# Altium PCB Copy of Blower_Pcb.PcbDoc (part 2 of 2)
Units mm, origin at the board's own origin, x right, y up, seen from the top; angles counter-clockwise.
Board outline 125 x 35 mm, 4 copper layers (PWR+SIG, GND, GND (Plane2), PWR+SIG (Bottom)), stack 1.57 mm thick; 136 components, 87 nets, 501 pads, 199 vias.
Unrouted connection lines stored in the file: 2.
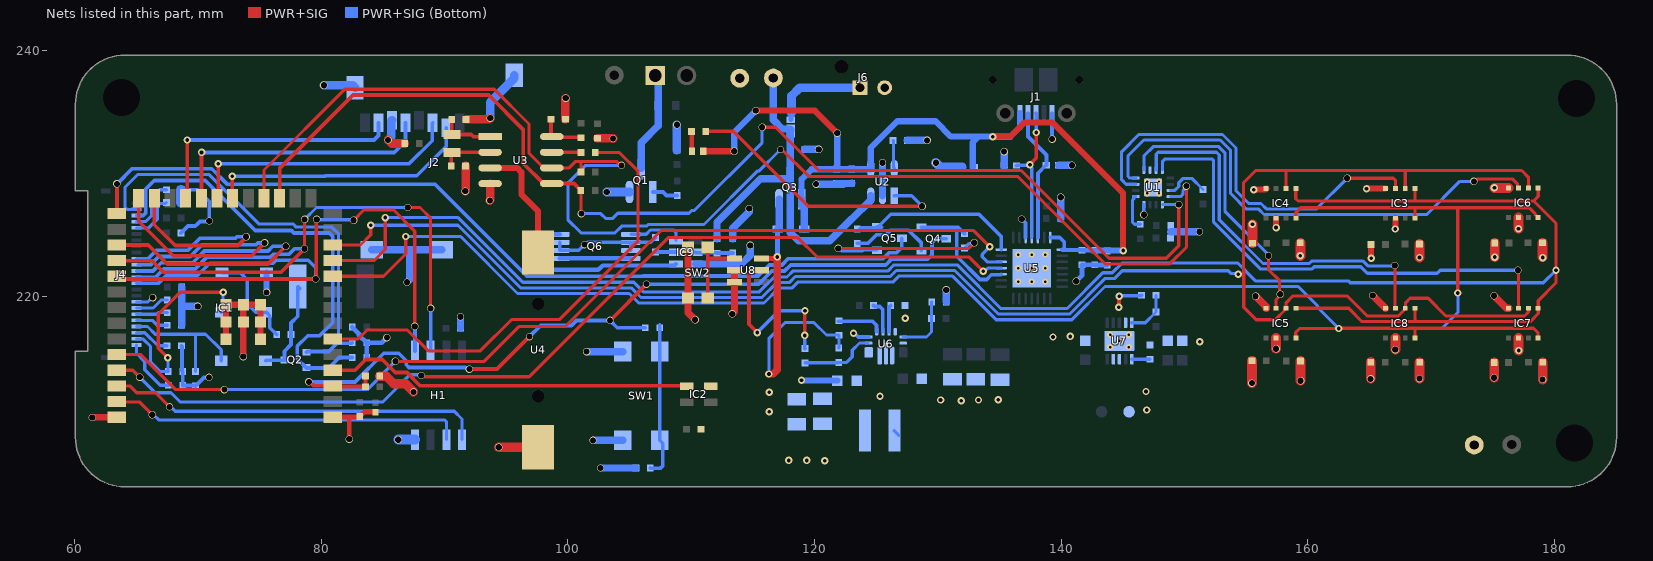
[diagram p4: the nets of this part, all layers, seen from the top]

## Via types
v1: diameter 0.6, hole 0.5, PWR+SIG to PWR+SIG (Bottom), tented both sides, 116 vias
v2: diameter 0.6, hole 0.3, PWR+SIG to PWR+SIG (Bottom), tented both sides, 65 vias
v3: diameter 0.5, hole 0.2, PWR+SIG to PWR+SIG (Bottom), tented both sides, 18 vias

## Nets (pads, with @x,y where several pads share a name; then routed paths per layer and width w, separated by ;. In a path a pad name is that pad's centre, name@x,y a point inside that pad or via, vN(x,y) a via of type N, cw(c..) or ccw(c..) an arc to the next point about the centre after c; other vN are vias at no path point) (continued)
CS2: IC3.2 U1.3 | length 32.7
  PWR+SIG w0.254: v1(163.195,229.616) 166.963,229.616 167.112,229.467 IC3.2@167.112,228.775 IC3.2@167.112,228.747
  PWR+SIG (Bottom) w0.254: U1.3@146.064,229.128 146.057,229.135 145.261,229.135 144.907,229.489 144.907,231.775 146.301,233.169 153.088,233.169 154.187,232.07 154.187,228.589 155.212,227.563 156.212,227.563 156.646,227.13 160.709,227.13 v1(163.195,229.616)
CS3: IC6.2 U1.4 | length 40.7
  PWR+SIG w0.254: v1(173.482,229.362) 173.576,229.362 173.778,229.565 176.596,229.565 177.022,229.139 177.022,228.911 IC6.2@177.095,228.838
  PWR+SIG (Bottom) w0.254: U1.4@146.064,229.628 145.576,229.628 145.427,229.777 145.427,231.431 146.71,232.715 152.9,232.715 153.733,231.882 153.733,228.4 155.024,227.109 156.024,227.109 156.458,226.676 169.653,226.676 172.339,229.362 v1(173.482,229.362)
CS4: IC5.2 U1.5 | length 22.9
  PWR+SIG w0.254: v1(156.82,223.325) 156.82,222.202 157.719,221.303 157.719,220.276 v1@157.785,220.209 ; IC5.2@157.434,219.072 157.434,219.779 157.771,220.116 v1(157.771,220.209)
  PWR+SIG (Bottom) w0.254: U1.5@146.714,230.278 146.714,231.423 147.469,232.178 152.795,232.178 153.279,231.694 153.279,226.954 156.82,223.413 v1(156.82,223.325)
CS5: IC8.2 U1.7 | length 31.3
  PWR+SIG w0.254: v1(167.056,222.541) 167.084,222.513 167.084,219.1 IC8.2@167.112,219.072
  PWR+SIG (Bottom) w0.254: U1.7@147.714,230.278 147.714,231.575 147.863,231.724 152.607,231.724 152.825,231.506 152.825,226.25 156.377,222.698 160.132,222.698 160.33,222.896 164.495,222.896 164.884,222.507 167.022,222.507 v1(167.056,222.541)
CS6: IC7.2 U1.8 | length 39.7
  PWR+SIG w0.254: v1(177.059,222.155) 177.095,222.119 IC7.2@177.095,219.072
  PWR+SIG (Bottom) w0.254: U1.8@148.214,230.278 148.214,230.959 148.446,231.191 152.222,231.191 152.371,231.042 152.371,226.062 155.739,222.695 155.739,222.691 156.185,222.244 160.32,222.244 160.518,222.442 164.307,222.442 164.835,221.914 170.496,221.914 170.737,222.155 v1(177.059,222.155)
CS_DIS: IC1.29 J4.12 | length 27.9
  PWR+SIG w0.3: IC1.29@63.424,224.206 65.963,224.206 67.506,222.663 75.67,222.663 v1(77.114,224.108)
  PWR+SIG (Bottom) w0.3: J4.12@65.019,222.09 66.351,222.09 67.019,222.758 69.567,222.758 70.529,223.72 75.668,223.72 76.056,224.108 v1(77.114,224.108)
CS_F: H1.1 IC1.38 | length 30.8
  PWR+SIG w0.254: IC1.38@63.424,212.776 64.465,212.776 65.024,212.217 66.548,212.217 v1(67.691,211.074)
  PWR+SIG (Bottom) w0.254: v1(67.691,211.074) 67.785,211.074 68.14,210.718 90.785,210.718 91.415,210.088 H1.1@91.415,208.414
D+: D9.2 J1.3 U5.4 | length 11.5
  PWR+SIG w0.3: v2(137.47,230.71) 137.47,230.731 137.99,231.251 v2(137.99,233.33)
  PWR+SIG (Bottom) w0.254: v2(137.47,230.71) 137.47,230.616 137.618,230.468 U5.4@137.618,224.806
  PWR+SIG (Bottom) w0.3: D9.2@136.38,230.64 136.415,230.675 137.435,230.675 v2(137.47,230.71) ; J1.3@137.965,234.894 137.977,234.881 137.977,233.343 v2(137.99,233.33)
D-: D8.2 J1.2 U5.5 | length 11.1
  PWR+SIG (Bottom) w0.3: J1.2@137.287,234.867 J1.2@137.315,234.894 137.315,233.005 138.81,231.51 D8.2@138.81,230.67 138.76,230.67 138.118,230.028 U5.5@138.118,224.806
D/C: IC1.26 J4.11 | length 24.7
  PWR+SIG w0.3: IC1.26@65.189,227.996 65.189,226.135 67.997,223.327 74.356,223.327 v1(75.399,224.37)
  PWR+SIG (Bottom) w0.3: J4.11@65.151,222.59 66.144,222.59 66.82,223.266 69.368,223.266 70.322,224.22 74.695,224.22 74.845,224.37 v1(75.399,224.37)
DTR: Q5.2 R18.1 U5.28 | length 14.1
  PWR+SIG (Bottom) w0.3: R18.1@123.692,225.512 123.761,225.58 125.357,225.58 Q5.2@125.426,225.649 ; Q5.2@125.076,225.689 125.176,225.689 126.181,226.695 133.35,226.695 135.143,224.902 U5.28@135.143,223.831
EN: C3.1 IC1.3 Q4.3 R1.1 R2.2 | length 67
  PWR+SIG w0.3: v1(78.994,213.098) 79.075,213.098 79.397,212.776 IC1.3@80.924,212.776 80.98,212.72 83.566,212.72 R1.1@83.576,212.71 C3.1@83.576,213.57 ; v1(92.011,214.141) 94.253,214.141 v1(96.884,216.772) ; v1(103.415,218.086) 103.43,218.086 v1(106.375,221.031)
  PWR+SIG (Bottom) w0.3: v1(78.994,213.098) 82.738,213.098 85.058,215.418 86.28,215.418 86.888,214.81 86.888,214.487 87.109,214.266 91.685,214.266 91.753,214.199 91.953,214.199 v1(92.011,214.141) ; v1(96.884,216.772) 97.79,217.678 100.282,217.678 100.69,218.086 v1(103.415,218.086) 104.001,217.5 R2.2@106.274,217.5 ; v1(106.375,221.031) 115.482,221.031 116.538,222.087 117.573,222.087 118.067,222.58 125.769,222.58 126.253,223.065 129.179,223.065 129.525,223.412 129.525,224.387 129.838,224.699 Q4.3@130.688,224.699
EN_B: R29.2 U8.5 | length 14
  PWR+SIG w0.3: v2(115.36,217.1) 114.69,217.77 114.69,221.984 114.866,222.16 U8.5@115.71,222.16 ; v2(119.21,216.87) 119.22,216.88 119.22,218.87 v2(119.23,218.88)
  PWR+SIG (Bottom) w0.3: v2(115.36,217.1) 117.14,218.88 v2(119.23,218.88) ; v2(119.21,216.87) 119.219,216.861 119.219,215.807 R29.2@119.228,215.798
GDR: J4.2 Q2.1 R7.1 | length 35.3
  PWR+SIG (Bottom) w0.254: J4.2@65.019,227.09 64.238,227.09 64.089,227.239 64.089,228.902 65.094,229.907 70.919,229.907 74.911,225.915 77.706,225.915 77.969,225.651 80.85,225.651 81.401,225.1 81.401,216.642 81.28,216.521 81.28,216.24
  PWR+SIG (Bottom) w0.3: Q2.1@78.797,215.507 78.851,215.56 80.6,215.56 81.28,216.24 82.473,216.24 R7.1@82.509,216.276
GND: C1.2 C2.2 C3.2 C4.1 C5.2 C6.2 C7.2 C8.2 C9.2 C10.2 C11.2 C12.2 C13.2 C14.2 C15.2 C16.2 C17.2 C18.2 C19.2 C20.2 C22.2 C23.2 C24.2 C25.2 C26.2 C27.2 C28.2 C29.2 C30.2 C31.2 C32.2 C33.2 C34.2 C35.2 C36.2 C37.2 C38.2 C39.2 C40.2 C41.2 C42.2 C43.2 C44.2 C45.2 C46.2 C47.2 C48.2 C49.2 C50.2 C51.2 C52.2 C53.2 C54.2 C55.2 C56.2 C57.2 D3.1 D7.1 D8.1 D9.1 H1.4 IC1.1 IC1.40 IC1.41 IC1.42 IC1.43 IC1.44 IC1.45 IC1.46 IC1.47 IC1.48 IC1.49 IC2.2 IC3.1 IC3.7 IC4.1 IC4.7 IC5.1 IC5.7 IC6.1 IC6.7 IC7.1 IC7.7 IC8.1 IC8.7 IC9.6 J1.5 J2.6 J2.MP1 J2.MP2 J2.MP3 J2.MP4 J4.17 J6.2 Q1.2 Q6.2 Q6.3 Q6.6 Q6.7 R4.1 R6.2 R7.2 R8.1 R13.1 R14.1 R22.1 R26.1 R27.1 SW1.1 SW1.2 SW2.1 SW2.2 TP2.1 TP4.1 U1.6 U1.16 U1.17 U2.2 U3.4 U4.1 U5.3 U5.29 U6.4 U6.6 U6.10 U6.15 U7.4 U7.9 U7.11 U8.2 U8.3 | length 184.6
  PWR+SIG w0.3: v2(144.678,219.151) 144.691,219.164 144.691,220.028 v2(144.704,220.04) ; v1@146.714,226.623 v1(146.714,226.659)
  PWR+SIG w0.381: IC1.1@80.924,210.236 80.949,210.261 82.271,210.261 ; v1(82.271,208.458) 82.271,210.261 ; C2.2@84.39,210.651 83.486,210.651 C1.2@83.12,210.286 83.095,210.261 82.271,210.261
  PWR+SIG w0.5: v2(155.618,228.687) 155.637,228.706 156.566,228.706 IC4.1@156.634,228.775 ; v2(157.434,225.614) IC4.7@157.434,226.375 ; v2(164.768,228.773) 164.77,228.775 IC3.1@166.312,228.775 ; v2(165.143,223.134) C7.2@165.143,224.25 ; v2(167.112,225.502) IC3.7@167.112,226.375
  PWR+SIG w0.508: v1(61.417,210.21) 61.443,210.236 IC1.40@63.424,210.236 ; IC1.48@72.274,216.556 IC1.47@72.274,217.956 IC1.46@72.274,219.356 IC1.45@73.674,219.356 ; v1(73.674,215.15) IC1.41@73.674,217.956 IC1.45@73.674,219.356 ; IC1.42@75.074,216.556 IC1.43@75.074,217.956 IC1.44@75.074,219.356 IC1.45@73.674,219.356
  PWR+SIG w0.6: SW2.2@109.74,224.02 SW2.1@109.74,219.92 109.74,218.707 v1(110.312,218.135) ; v1(113.335,218.618) 113.51,218.793 U8.3@113.51,221.21 U8.2@113.51,222.16 ; v1(155.778,220.04) 156.634,219.184 IC5.1@156.634,219.072 ; v1(165.278,220.106) IC8.1@166.312,219.072 ; v1(175.108,220.091) 176.127,219.072 IC7.1@176.295,219.072
  PWR+SIG w0.7: v1(85.42,232.715) 85.7,232.435 C18.2@86.766,232.435 ; v1(91.669,228.575) 91.704,228.61 C37.2@91.704,230.62 ; C36.2@91.744,234.39 93.598,234.39 v1(93.701,234.493) ; v1(93.675,227.813) 93.689,227.826 U3.4@93.689,229.184 ; C35.2@99.794,234.41 99.794,236.091 v1(99.822,236.118) ; C34.2@102.39,232.866 103.633,232.866 v1(103.657,232.842)
  PWR+SIG w0.762: C3.2@84.744,213.57 85.032,213.57 85.036,213.566 85.26,213.566 85.872,212.954 86.817,212.954 v1(87.478,212.293)
  PWR+SIG w0.8: v1(94.387,207.797) U4.1@97.587,207.797 ; v1(155.476,213.002) C11.2@155.476,214.81 ; v2(155.516,225.882) C9.2@155.516,224.35 C9.2@155.55,224.384 ; v1(157.434,215.793) IC5.7@157.434,216.672 ; v2(159.403,223.325) C8.2@159.403,224.378 ; v1(159.424,213.194) C10.2@159.424,214.79 ; v1@165.117,213.352 C17.2@165.117,214.699 ; v1@167.112,215.722 IC8.7@167.112,216.672 ; v2(169.064,223.192) C6.2@169.064,224.28 ; v1@169.079,213.369 C16.2@169.079,214.698 ; v1@175.126,213.443 C15.2@175.126,214.675 ; v2(175.142,228.838) IC6.1@176.295,228.838 ; v2(175.166,223.223) C12.2@175.166,224.37 ; IC7.7@177.095,216.672 177.095,215.666 v2(177.114,215.646) ; v2(177.095,225.521) IC6.7@177.095,226.438 ; v2@179.034,223.23 C13.2@179.034,224.38 ; v1@179.064,213.303 C14.2@179.064,214.69
  PWR+SIG (Bottom) w0.254: J4.17@65.019,219.59 65.946,219.59 66.296,219.94 v1(66.319,219.94)
  PWR+SIG (Bottom) w0.3: v2(123.165,217.043) 123.246,217.043 123.549,216.739 U6.15@124.395,216.739 ; v1(146.714,226.659) U1.16@146.714,227.478
  PWR+SIG (Bottom) w0.305: R6.2@68.617,225.175 69.184,225.742 69.778,225.742 69.909,225.873 69.928,225.873 70.159,226.104 70.875,226.104 v1(70.917,226.146) ; C19.2@68.617,228.68 69.973,228.68 70.917,227.736 v1@70.917,226.162 ; C27.2@68.656,216.027 68.707,215.976 68.707,213.995 C28.2@68.758,213.944 C29.2@68.758,212.827 68.783,212.801 69.774,212.801 C44.2@69.799,212.776 70.485,213.462 v1(70.891,213.462) ; Q6.3@99.344,224.42 Q6.2@99.344,223.77 100.885,223.77 v1(101.346,224.231) 101.426,224.231 101.614,224.42 Q6.6@105.104,224.42 ; Q6.7@105.104,223.77 Q6.6@105.104,224.42 ; R27.1@107.1,224.813 106.707,224.42 Q6.6@105.104,224.42 ; v1(136.804,226.314) 137.118,226 U5.3@137.118,224.806 ; J1.5@139.265,234.894 139.265,232.795 v1(139.268,232.791) ; v2(144.704,220.04) 144.743,220.08 146.487,220.08 R26.1@146.526,220.12
  PWR+SIG (Bottom) w0.381: C43.2@82.509,217.546 83.054,217.001 83.054,216.899 R7.2@83.677,216.276 ; R8.1@83.677,215.082 R7.2@83.677,216.276 ; v1(85.319,216.687) 84.907,216.276 R7.2@83.677,216.276 ; v1(141.224,221.259) 141.688,221.724 C40.2@141.688,222.602 C39.2@142.728,222.602 142.751,222.579 143.725,222.579 C23.2@143.748,222.556
  PWR+SIG (Bottom) w0.5: v2(118.948,213.233) 118.961,213.22 121.844,213.22 C47.2@121.856,213.208
  PWR+SIG (Bottom) w0.508: v1(75.562,220.363) D3.1@75.562,221.945
  PWR+SIG (Bottom) w0.6: C26.2@68.67,217.693 68.67,218.707 C25.2@68.678,218.715 68.678,219.222 ; C22.2@68.678,220.79 68.678,219.735 C24.2@68.681,219.732 68.678,219.729 68.678,219.222 ; v1(69.977,219.227) 69.972,219.222 68.678,219.222 ; J2.MP2@84.09,223.82 87.173,223.82 ; v1(86.952,221.183) 87.173,221.404 87.173,223.82 ; J2.MP3@89.79,223.82 87.173,223.82 ; C38.2@91.288,217.449 v1(91.288,218.389) ; v1(101.514,215.56) SW1.2@104.446,215.56 ; v1(102.036,208.36) SW1.1@104.446,208.36 ; v1(102.644,206.118) C4.1@105.514,206.118 ; IC9.6@110.354,222.663 114.078,222.663 114.783,223.368 v1(114.783,224.17) ; C55.2@113.374,224.719 113.374,225.566 114.706,226.898 v1(114.706,227.164) ; C33.2@119.202,231.953 v1(120.345,231.953) ; v1(120.122,229.138) 122.33,229.138 122.383,229.192 ; R14.1@121.773,229.192 122.383,229.192 ; C32.2@123.012,229.21 122.994,229.192 122.383,229.192 ; U2.2@125.515,228.197 125.515,230.871 v1(125.516,230.872) ; R13.1@127.533,232.689 v1(129.134,232.689) ; R22.1@130.683,219.583 v1(130.683,220.563) ; D9.1@135.38,230.64 v1(135.38,231.773) ; D8.1@139.81,230.67 v1(140.881,230.67) ; C42.2@139.966,226.341 v1(139.966,228.08) ; 148.887,225.282 v1(151.222,225.282)
  PWR+SIG (Bottom) w0.7: v1(80.213,237.16) 82.55,237.16 J2.MP1@82.74,236.97 ; v1(85.42,232.715) 85.68,232.975 85.68,234.27 J2.6@85.73,234.32 ; v1(93.701,234.493) 93.701,235.781 95.64,237.72 J2.MP4@95.64,237.97 ; v1(103.147,228.501) Q1.2@104.995,228.501 ; v1(108.839,233.959) 108.841,233.958 R4.1@108.841,231.9
  PWR+SIG (Bottom) w0.762: v1(129.845,230.872) 130.212,230.505 D7.1@131.961,230.505
  PWR+SIG (Bottom) w0.8: C20.2@68.602,227.648 68.602,228.665 C19.2@68.617,228.68 ; v1(86.24,208.414) H1.4@87.605,208.414
  other v1: 179.05,213.297 165.103,213.345 169.065,213.362 175.112,213.437 167.098,215.716
  other v2: 120.828,206.705 117.907,206.731 119.38,206.731 131.902,211.582 130.226,211.633 133.299,211.633 134.899,211.658 125.311,211.946 151.255,216.349 139.344,216.738 140.741,216.789 127.37,218.251 179.074,223.181
  other v3: 143.983,215.92 145.483,215.92 144.733,216.42 143.983,216.92 145.483,216.92 136.518,221.231 137.618,221.231 138.718,221.231 136.518,222.331 137.618,222.331 138.718,222.331 136.518,223.431 137.618,223.431 138.718,223.431 146.989,228.403 147.939,228.403 146.989,229.353 147.939,229.353
I2C_RST: R12.1 U1.1 | length 3
  PWR+SIG (Bottom) w0.254: U1.1@146.064,228.128 145.898,228.128 145.891,228.121 145.891,227.955 145.798,227.862 145.798,226.033 145.947,225.884 R12.1@146.42,225.884
IO0: IC1.27 Q5.3 | length 71.9
  PWR+SIG w0.3: IC1.27@63.424,226.746 v1(63.424,229.159)
  PWR+SIG (Bottom) w0.3: v1(63.424,229.159) 64.649,230.384 71.116,230.384 72.361,229.14 89.198,229.14 96.674,221.664 106.089,221.664 106.106,221.681 115.425,221.681 116.331,222.587 117.366,222.587 117.878,223.099 125.58,223.099 126.046,223.565 126.652,223.565 127.076,223.989 Q5.3@127.076,224.739
LED: IC1.4 IC2.3 | length 30
  PWR+SIG w0.3: IC1.4@80.924,214.046 82.728,214.046 83.603,214.921 84.938,214.921 85.562,214.297 86.001,213.859 86.946,213.859 88.008,212.797 109.577,212.797 IC2.3@109.635,212.739
MISO: IC1.10 IC3.5 IC4.5 IC5.5 IC6.5 IC7.5 IC8.5 | length 152.8
  PWR+SIG w0.254: IC1.10@80.924,221.666 85.046,221.666 86.85,223.47 v2(86.85,224.89) ; IC5.5@159.034,216.672 159.034,217.112 159.353,217.431 v2(162.509,217.431) 162.531,217.453 178.317,217.453 178.681,217.089 178.681,216.685 IC7.5@178.695,216.672 ; IC4.5@159.034,226.375 159.034,226.814 159.44,227.22 168.68,227.22 ; 168.581,217.453 cw(c168.581,217.322) 168.712,217.322 IC8.5@168.712,216.672 ; IC3.5@168.712,226.375 168.712,227.188 168.68,227.22 ; v2(172.174,220.312) 172.17,220.316 172.17,227.22 ; IC6.5@178.695,226.438 178.422,226.711 178.422,226.773 177.975,227.22 172.17,227.22 ; 168.68,227.22 172.17,227.22
  PWR+SIG (Bottom) w0.254: v2(86.85,224.89) 91.3,224.89 95.916,220.274 104.961,220.274 105.739,219.496 115.906,219.496 117.112,220.702 118.147,220.702 118.64,221.195 126.342,221.195 126.827,221.68 131.199,221.68 134.734,218.146 140.866,218.146 143.556,220.836 159.224,220.836 160.833,219.227 160.833,219.107 v2(162.509,217.431) 170.871,217.431 172.19,218.75 172.19,220.296 v2(172.174,220.312)
MISO_D_F: H1.2 IC1.39 | length 28.9
  PWR+SIG w0.254: IC1.39@63.424,211.506 63.475,211.455 65.278,211.455 v1(66.294,210.439)
  PWR+SIG (Bottom) w0.254: v1(66.294,210.439) 66.387,210.439 66.803,210.023 89.996,210.023 90.145,209.874 H1.2@90.145,208.414
MISO_SD: IC1.23 J2.7 | length 21.5
  PWR+SIG w0.3: IC1.23@68.999,227.996 69.13,228.127 v2(69.13,232.72)
  PWR+SIG (Bottom) w0.3: v2(69.13,232.72) 84.27,232.72 84.63,233.08 J2.7@84.63,234.12
MOSI: IC1.12 IC3.3 IC4.3 IC5.3 IC6.3 IC7.3 IC8.3 | length 146.6
  PWR+SIG w0.254: IC1.12@81.31,224.24 80.958,224.24 IC1.12@80.924,224.206 83.183,224.206 84.008,225.031 v2(84.008,225.8) ; v2(154.375,221.819) 154.814,221.819 ; IC5.3@158.161,219.072 158.161,218.936 157.36,218.135 155.829,218.135 154.814,219.15 154.814,221.819 ; IC5.3@158.234,219.072 158.234,219.134 158.246,219.145 158.246,219.518 158.806,220.078 163.183,220.078 164.816,218.445 167.347,218.445 167.839,218.936 167.839,219.061 167.856,219.061 167.94,219.145 167.94,219.527 168.3,219.887 169.762,219.887 171.204,218.445 177.58,218.445 177.895,218.76 IC7.3@177.895,219.072 ; IC4.3@158.234,228.775 158.234,228.837 158.245,228.848 158.245,230.105 158.252,230.112 ; 158.245,230.12 158.368,230.243 ; 167.86,230.242 177.348,230.242 177.895,229.695 IC6.3@177.895,228.838 ; 167.86,230.243 158.368,230.243 ; IC3.3@167.912,228.775 167.912,230.242 ; 154.814,221.819 154.814,222.101 154.789,222.126 154.789,229.259 155.773,230.243 158.368,230.243
  PWR+SIG (Bottom) w0.254: v2(84.008,225.8) 91.082,225.8 96.154,220.728 105.149,220.728 105.927,219.95 115.718,219.95 116.924,221.156 117.959,221.156 118.452,221.649 126.154,221.649 126.639,222.134 131.387,222.134 134.922,218.6 140.677,218.6 143.578,221.5 144.347,221.5 144.957,222.11 153.567,222.11 153.792,221.885 154.309,221.885 v2(154.375,221.819)
MOSI_D_F: H1.5 IC1.31 J4.14 | length 56.3
  PWR+SIG w0.254: v1(82.616,226.213) 83.457,227.054 85.856,227.054 87.579,225.331 v1(87.579,217.602)
  PWR+SIG w0.3: IC1.31@63.424,221.666 63.648,221.442 v1(79.547,221.442) 79.588,221.483 79.588,226.237 v1(79.629,226.278)
  PWR+SIG (Bottom) w0.254: v1@79.662,226.246 v1@82.583,226.246
  PWR+SIG (Bottom) w0.3: J4.14@65.019,221.09 66.766,221.09 67.417,221.742 69.977,221.742 70.955,222.72 76.083,222.72 76.32,222.958 78.938,222.958 79.547,222.348 v1(79.547,221.442) ; v1(79.629,226.278) v1@79.662,226.246 ; v1@82.583,226.246 v1(82.616,226.213) ; v1(87.579,217.602) 87.605,217.576 H1.5@87.605,215.614
MOSI_SD: IC1.21 J2.3 | length 22.4
  PWR+SIG w0.3: IC1.21@71.539,227.996 71.63,228.087 v2(71.63,230.79)
  PWR+SIG (Bottom) w0.3: v2(71.63,230.79) 87.12,230.79 88.99,232.66 88.99,234.08 J2.3@89.03,234.12
NetC4_2: C4.2 R2.1 SW1.3 SW1.4 | length 12.6
  PWR+SIG (Bottom) w0.3: C4.2@106.683,206.118 106.695,206.106 107.51,206.106 107.686,206.282 107.686,208.121 SW1.3@107.446,208.36 SW1.4@107.446,215.56 107.441,215.565 R2.1@107.441,217.726
NetC19_1: C19.1 J4.4 | length 4.3
  PWR+SIG (Bottom) w0.254: J4.4@65.019,226.09 65.042,226.113 65.761,226.113 66.246,226.598 66.246,228.044 66.882,228.68 C19.1@67.449,228.68
NetC20_1: C20.1 J4.5 | length 3.9
  PWR+SIG (Bottom) w0.254: J4.5@65.019,225.59 66.002,225.59 66.7,226.288 66.7,227.355 66.926,227.581 67.367,227.581 C20.1@67.433,227.648
NetC21_1: C21.1 D4.2 L2.2 Q2.3 | length 8.2
  PWR+SIG (Bottom) w0.3: D4.2@75.485,214.808 75.523,214.846 76.968,214.846 Q2.3@77.006,214.884 77.006,215.589 77.546,216.129 C21.1@77.546,216.941 77.546,217.881 78.093,218.428 L2.2@78.093,220.828 L2.2@78.24,220.68
NetC21_2: C21.2 D2.1 D3.2 | length 8.2
  PWR+SIG (Bottom) w0.3: D3.2@71.962,221.945 73.445,221.945 74,221.39 74,219.42 74.675,218.745 D2.1@75.485,218.745 75.544,218.745 75.819,218.47 75.819,217.5 C21.2@76.378,216.941
NetC24_1: C24.1 J4.18 | length 2.8
  PWR+SIG (Bottom) w0.254: J4.18@65.019,219.09 66.356,219.09 66.998,219.732 C24.1@67.513,219.732
NetC25_1: C25.1 J4.19 | length 2.5
  PWR+SIG (Bottom) w0.254: J4.19@65.019,218.59 66.656,218.59 66.781,218.715 C25.1@67.51,218.715
NetC26_1: C26.1 J4.20 | length 2.6
  PWR+SIG (Bottom) w0.254: J4.20@65.019,218.09 66.288,218.09 66.685,217.693 C26.1@67.502,217.693
NetC27_1: C27.1 J4.22 | length 2.9
  PWR+SIG (Bottom) w0.254: J4.22@65.019,217.09 65.688,217.09 66.751,216.027 C27.1@67.488,216.027
NetC35_1: C35.1 R16.2 U3.8 | length 3.8
  PWR+SIG w0.3: C35.1@98.626,234.41 98.626,233.059 U3.8@98.691,232.994 98.735,232.95 101.006,232.95 R16.2@101.05,232.906
NetC51_1: C51.1 U6.3 | length 2.2
  PWR+SIG (Bottom) w0.3: U6.3@126.045,217.164 126.045,219.166 C51.1@126.179,219.3
NetC54_1: C54.1 U7.1 | length 1.5
  PWR+SIG (Bottom) w0.254: U7.1@145.733,214.945 145.738,214.94 147.213,214.94 C54.1@147.218,214.935
NetC55_1: C55.1 IC9.5 R25.1 | length 3.1
  PWR+SIG (Bottom) w0.3: IC9.5@110.354,223.613 110.392,223.575 112.056,223.575 R25.1@112.094,223.537 112.106,223.55 C55.1@113.374,223.551 C55.1@113.389,223.563
NetD1_2: D1.2 J3.1 Q1.3 | length 8.2
  PWR+SIG (Bottom) w0.6: Q1.3@105.945,230.422 105.945,232.495 107.34,233.89 D1.2@107.34,235.52 107.34,237.7 J3.1@107.09,237.95
NetD5_1: D5.1 R15.2 | length 1.6
  PWR+SIG w0.4: R15.2@110.016,233.41 110.044,233.382 110.044,231.829 D5.1@110.073,231.8
NetD10_1: D10.1 J6.1 | length 7.8
  PWR+SIG (Bottom) w0.4: D10.1@118.085,234.371 118.11,234.396 118.11,234.899
  PWR+SIG (Bottom) w0.7: 118.11,234.899 118.135,234.925 118.135,236.296 118.804,236.964 J6.1@123.688,236.964
NetIC9_1: IC9.1 Q6.4 | length 17.4
  PWR+SIG (Bottom) w0.35: Q6.4@99.344,225.07 97.159,225.07 96.614,224.525 96.614,222.505 96.93,222.189 102.467,222.189 102.823,222.545 108.635,222.545 IC9.1@108.754,222.663
NetIC9_2: IC9.2 R27.2 | length 1.7
  PWR+SIG (Bottom) w0.3: R27.2@107.1,223.644 107.116,223.629 108.738,223.629 IC9.2@108.754,223.613
NetIC9_3: IC9.3 Q6.5 | length 4.5
  PWR+SIG (Bottom) w0.254: Q6.5@105.104,225.07 106.345,225.07 106.69,225.415 108.584,225.415 108.754,225.244 IC9.3@108.754,224.563
NetL1_1: L1.1 U6.11
NetL1_2: L1.2 U6.9 | length 0.6
  PWR+SIG (Bottom) w0.254: L1.2@126.472,209.166 126.472,209.126 L1.2@126.835,208.763
NetL3_2: L3.2 U7.3
  other v2: 146.939,210.82 146.883,212.318
NetQ1_1: Q1.1 R3.2 | length 2.1
  PWR+SIG (Bottom) w0.3: Q1.1@106.895,228.501 107.709,228.501 107.993,228.217 R3.2@108.866,228.217
NetQ4_1: Q4.1 R18.2 | length 6.7
  PWR+SIG (Bottom) w0.3: R18.2@123.469,224.333 124.324,224.333 125.03,225.039 125.796,225.039 126.146,225.389 127.641,225.389 128.668,224.362 Q4.1@128.668,223.749
NetQ5_1: Q5.1 R19.2 | length 15.4
  PWR+SIG w0.254: v1(121.92,223.926) 132.5,223.926 v1(132.955,224.381)
  PWR+SIG (Bottom) w0.254: v1(121.92,223.926) 122.014,223.926 122.209,223.731 123.902,223.731 123.96,223.789 Q5.1@125.076,223.789 ; R19.2@132.167,223.963 132.519,224.315 132.889,224.315 v1(132.955,224.381)
NetQ6_1: Q6.1 Q6.8 | length 5.8
  PWR+SIG (Bottom) w0.35: Q6.1@99.344,223.12 Q6.8@105.104,223.12
NetR11_1: R11.1 U1.11 | length 3.6
  PWR+SIG (Bottom) w0.254: U1.11@148.864,228.628 148.871,228.635 149.224,228.635 149.538,228.949 149.538,229.241 149.905,229.608 150.605,229.608 R11.1@151.511,228.702
NetR13_2: R13.2 U2.5 | length 2.3
  PWR+SIG (Bottom) w0.254: R13.2@126.365,232.689 126.415,232.64 126.415,230.479 U2.5@126.465,230.429
NetR15_1: R15.1 U2.1 | length 22.6
  PWR+SIG w0.254: R15.1@111.404,233.426 113.41,233.426 119.491,227.345 v1(128.727,227.345) v1@128.661,227.279
  PWR+SIG (Bottom) w0.254: U2.1@126.465,228.197 126.468,228.194 127.879,228.194 v1(128.727,227.345)
NetR17_1: R17.1 U3.7 | length 2.4
  PWR+SIG w0.3: U3.7@98.703,231.737 U3.7@98.691,231.724 98.698,231.717 101.043,231.717 R17.1@101.05,231.71
NetR20_1: R20.1 U6.1 | length 3.8
  PWR+SIG (Bottom) w0.3: R20.1@121.943,218.008 124.714,218.008 125.02,217.702 125.02,217.189 U6.1@125.045,217.164
NetR21_1: R21.1 R22.2 U6.5 | length 4.9
  PWR+SIG (Bottom) w0.254: U6.5@127.195,216.739 129.084,216.739 129.489,217.145 R21.1@129.489,218.237 129.502,218.249 129.502,219.57 R22.2@129.515,219.583
NetR23_2: R23.2 U6.2 | length 2.7
  PWR+SIG (Bottom) w0.3: R23.2@124.79,219.304 124.88,219.214 125.287,219.214 125.545,218.955 U6.2@125.545,217.164
NetR24_1: R24.1 R26.2 U7.10 | length 3.7
  PWR+SIG (Bottom) w0.254: 146.496,217.895 146.826,217.895 R24.1@147.701,218.77 147.698,218.773 147.698,220.116 R26.2@147.695,220.12
  PWR+SIG (Bottom) w0.305: U7.10@145.733,217.895 146.496,217.895
NetR28_1: R28.1 R29.1 U6.14 | length 6.1
  PWR+SIG (Bottom) w0.254: R29.1@119.228,214.63 119.253,214.655 121.945,214.655 R28.1@121.971,214.681 122.606,214.681 123.063,215.138 123.063,215.671 123.647,216.256 U6.14@124.352,216.256
NetSW2_3: SW2.3 SW2.4 U8.1 | length 6.3
  PWR+SIG w0.3: SW2.3@111.34,219.92 111.34,223.06 ; SW2.4@111.34,224.02 111.34,223.06 ; U8.1@113.51,223.11 111.39,223.11 111.34,223.06
OSCI: C36.1 U3.1 Y1.2 | length 4.4
  PWR+SIG w0.3: C36.1@90.576,234.39 90.576,233.186 Y1.2@90.602,233.16 92.17,233.16 92.336,232.994 U3.1@93.689,232.994
OSCO: C37.1 U3.2 Y1.1 | length 4.2
  PWR+SIG w0.3: C37.1@90.536,230.62 90.536,231.644 Y1.1@90.602,231.71 90.609,231.717 93.682,231.717 U3.2@93.689,231.724
PREVGH: C44.1 D4.1 J4.21 | length 11.6
  PWR+SIG (Bottom) w0.254: J4.21@65.019,217.59 65.899,217.59 66.523,216.967 69.672,216.967 ; C44.1@69.799,213.944 69.799,216.84 69.672,216.967 ; D4.1@71.885,214.808 71.885,215.693 70.612,216.967 69.672,216.967
PREVGL: C28.1 D2.2 J4.23 | length 17.1
  PWR+SIG w0.254: v2(67.539,215.062) 66.77,215.83 66.77,218.59 68.55,220.37 72.027,220.37 v2(72.034,220.363)
  PWR+SIG (Bottom) w0.254: J4.23@65.019,216.59 65.042,216.567 65.554,216.567 66.142,215.98 66.142,214.757 66.954,213.944 C28.1@67.589,213.944 67.564,213.97 67.564,215.036 v2(67.539,215.062) ; D2.2@71.885,218.745 72.034,218.894 v2(72.034,220.363)
RES: IC1.25 J4.10 | length 20.2
  PWR+SIG w0.3: IC1.25@66.459,227.996 66.459,225.84 68.144,224.155 73.249,224.155 73.9,224.806 v1(73.9,224.87)
  PWR+SIG (Bottom) w0.3: J4.10@65.019,223.09 65.937,223.09 66.613,223.766 69.161,223.766 70.135,224.74 73.02,224.74 73.15,224.87 v1(73.9,224.87)
RESE: J4.3 Q2.2 R8.2 | length 36.9
  PWR+SIG (Bottom) w0.3: J4.3@65.019,226.59 65.564,226.59 65.769,226.795 65.769,228.743 66.109,229.083 66.453,229.427 67.151,229.427 67.154,229.43 70.595,229.43 74.651,225.374 77.572,225.374 77.771,225.174 80.653,225.174 80.924,224.903 80.924,217.907 79.858,216.84 78.892,216.84 78.054,216.002 78.054,214.96 78.791,214.224 80.604,214.224 81.462,215.082 R8.2@82.509,215.082
RTC_BAT: U3.3 U4.2 | length 9.8
  PWR+SIG w0.5: U3.3@93.689,230.454 95.876,230.454 96.23,230.1 96.23,228.302 97.587,226.945 U4.2@97.587,223.597
RTC_GPIO: IC1.6 R17.2 | length 39.2
  PWR+SIG w0.254: IC1.6@80.924,216.586 82.99,216.586 83.718,217.314 86.98,217.314 88.678,215.616 92.891,215.616 95.422,218.147 99.295,218.147 105.69,224.542 105.69,230.197 104.177,231.71 R17.2@102.218,231.71
RTS: Q4.2 R19.1 U5.24 | length 10.7
  PWR+SIG (Bottom) w0.3: Q4.2@128.668,225.649 131.649,225.649 ; R19.1@132.167,225.131 131.649,225.649 ; U5.24@135.143,221.831 135.093,221.781 134.332,221.781 133.964,221.413 133.425,221.413 131.542,223.296 131.542,225.542 131.649,225.649
RX: IC1.36 U5.26 | length 80.6
  PWR+SIG w0.254: IC1.36@63.424,215.316 65.354,215.316 68.199,212.471 v1(72.136,212.471) ; v1(86.01,214.768) 93.217,214.768 96.027,217.578 99.765,217.578 107.553,225.366 132.909,225.366 134.213,224.062 v2(134.213,224.058)
  PWR+SIG (Bottom) w0.254: v1(72.136,212.471) 83.713,212.471 v1(86.01,214.768) ; v2(134.213,224.058) 133.601,223.446 133.601,223.236 134.001,222.835 135.139,222.835 U5.26@135.143,222.831
SCK: IC1.11 IC3.4 IC4.4 IC5.4 IC6.4 IC7.4 IC8.4 | length 164
  PWR+SIG w0.254: IC1.11@80.924,222.936 84.268,222.936 85.19,223.858 v2(85.19,226.427) ; IC5.4@159.034,219.072 163.325,219.072 164.406,217.991 178.041,217.991 178.693,218.643 IC7.4@178.693,219.07 ; IC4.4@159.034,228.775 159.034,227.946 159.21,227.77 168.765,227.77 ; IC8.4@168.712,219.072 168.712,218.102 168.79,218.024 ; IC3.4@168.712,228.775 168.712,227.823 168.765,227.77 ; IC7.4@178.695,219.072 178.695,219.695 180.134,221.134 v2(180.134,222.16) 180.134,225.956 178.32,227.77 ; IC6.4@178.695,228.838 178.695,228.145 178.32,227.77 ; 168.765,227.77 178.32,227.77
  PWR+SIG (Bottom) w0.254: v2(85.19,226.427) 91.097,226.427 96.343,221.182 105.337,221.182 106.115,220.404 115.53,220.404 116.736,221.61 117.771,221.61 118.264,222.103 125.966,222.103 126.451,222.588 131.575,222.588 135.11,219.054 140.489,219.054 143.39,221.954 144.159,221.954 144.941,222.737 154.344,222.737 154.92,222.16 154.92,222.129 155.758,221.29 163.293,221.29 163.443,221.14 179.115,221.14 v2(180.134,222.16)
SCK_SD: IC1.22 J2.5 | length 22.1
  PWR+SIG w0.3: IC1.22@70.269,227.996 70.29,228.017 v2(70.29,231.71)
  PWR+SIG (Bottom) w0.3: v2(70.29,231.71) 85.91,231.71 86.83,232.63 J2.5@86.83,234.12
SCL: IC1.18 R9.2 U1.12 U3.6 | length 111.8
  PWR+SIG w0.254: IC1.18@75.349,227.996 75.349,230.289 81.899,236.839 94.021,236.839 96.845,234.016 96.845,231.632 98.022,230.454 U3.6@98.691,230.454 100.102,230.454 100.629,230.981 101.07,230.981 ; R9.2@101.056,230.13 101.056,230.967 101.07,230.981 ; v1(104.343,230.657) 104.25,230.657 103.926,230.981 101.07,230.981 ; v1(117.244,231.95) 117.338,231.95 119.523,229.765 136.46,229.765 143.556,222.669 148.806,222.669 150.165,224.028 v1(150.165,228.981)
  PWR+SIG (Bottom) w0.254: v1(104.343,230.657) 101.448,230.657 100,229.21 100,226.263 101.084,225.179 103.8,225.179 104.357,225.735 106.369,225.735 106.502,225.869 111.037,225.869 115.361,230.192 115.486,230.192 v1(117.244,231.95) ; U1.12@148.864,228.128 149.693,228.128 149.872,228.307 149.872,228.595 150.165,228.887 v1(150.165,228.981)
SCLK_D_F: H1.6 IC1.30 J4.13 | length 55.1
  PWR+SIG w0.254: v1(78.638,223.901) 78.641,223.903 78.641,226.276 v1(78.643,226.278) ; v1(87.005,227.247) 88.005,227.247 88.865,226.387 v1(88.865,219.057)
  PWR+SIG w0.3: IC1.30@63.424,222.936 66.245,222.936 67.193,221.988 76.725,221.988 v1(78.638,223.901)
  PWR+SIG (Bottom) w0.254: v1(78.643,226.278) 79.612,227.247 v1(87.005,227.247) ; v1(88.865,219.057) 88.875,219.047 H1.6@88.875,215.614
  PWR+SIG (Bottom) w0.3: J4.13@65.019,221.59 66.558,221.59 67.218,222.25 69.766,222.25 70.737,223.22 75.876,223.22 76.113,223.458 77.384,223.458 77.827,223.901 v1(78.638,223.901)
SD_CS: IC1.20 J2.2 | length 21.7
  PWR+SIG w0.3: v2(72.77,229.79) 72.77,228.035 IC1.20@72.809,227.996
  PWR+SIG (Bottom) w0.3: v2(72.77,229.79) 80.314,229.79 80.336,229.812 87.742,229.812 90.13,232.2 J2.2@90.13,233.72
SDA: IC1.17 R10.2 U1.13 U3.5 | length 97.9
  PWR+SIG w0.254: R10.2@101.042,228.63 101.067,228.605 101.067,226.771 v1(101.092,226.746) ; v1(115.748,233.756) 116.84,233.756 120.351,230.245 136.76,230.245 143.882,223.123 148.523,223.123 149.538,224.138 v1(149.538,227.478)
  PWR+SIG w0.3: IC1.17@76.619,227.996 76.619,230.416 82.565,236.362 93.584,236.362 96.368,233.578 96.368,230.839 98.022,229.184 U3.5@98.691,229.184 100.487,229.184 R10.2@101.042,228.63
  PWR+SIG (Bottom) w0.254: v1(101.092,226.746) 102.664,226.746 103.045,226.365 103.637,226.365 104.049,226.777 109.817,226.777 110.037,226.997 110.243,226.997 115.748,232.502 v1(115.748,233.756) ; U1.13@148.214,227.478 v1(149.538,227.478)
TX: IC1.37 U5.25 | length 79.7
  PWR+SIG w0.254: IC1.37@63.424,214.046 64.719,214.046 v1(65.278,213.487) ; v1(88.108,213.616) 88.174,213.55 88.394,213.55 88.429,213.514 96.858,213.514 108.141,224.797 118.65,224.797 120.206,223.241 132.516,223.241 v2(133.695,222.063)
  PWR+SIG (Bottom) w0.254: v1(65.278,213.487) 66.54,212.225 67.81,212.225 68.579,211.456 84.964,211.456 87.184,213.676 87.438,213.676 87.444,213.682 88.041,213.682 v1(88.108,213.616) ; v2(133.695,222.063) 133.788,222.063 134.056,222.331 U5.25@135.143,222.331
VBAT: C33.1 D10.2 Q3.3 R25.2 TP3.1 U2.3 | length 30.8
  PWR+SIG (Bottom) w0.6: R25.2@112.094,224.706 112.094,226.038 115.621,229.565 Q3.3@118.039,229.565 ; TP3.1@116.662,237.75 116.662,234.349 117.4,233.611 118.035,233.611 118.085,233.561 D10.2@118.085,233.456 118.044,233.415 C33.1@118.044,231.901 ; C33.1@118.05,231.906 C33.1@118.044,231.901 ; U2.3@124.565,228.197 124.565,227.839 123.002,226.276 122.987,226.276 121.247,224.536 118.713,224.536 118.039,225.21 Q3.3@118.039,229.565 ; Q3.3@118.039,229.565 Q3.3@118.039,229.871 118.044,229.877 C33.1@118.044,231.901
VBUS: C23.1 C32.1 C39.1 C40.1 D5.2 D6.2 D7.2 J1.1 Q3.1 R14.2 U2.4 U5.7 U5.8 | length 72
  PWR+SIG w0.5: D5.2@110.973,231.8 v1(113.487,231.8) ; v1(115.24,235.102) 120.015,235.102 v1(121.844,233.274) ; v2(134.45,232.99) 135.889,232.99 137.049,234.15 139.3,234.15 145.03,228.42 v2(145.03,223.75)
  PWR+SIG (Bottom) w0.3: U5.7@139.118,224.806 139.894,224.806 140.25,224.45 140.25,223.881 140.2,223.831 U5.8@140.093,223.831
  PWR+SIG (Bottom) w0.34: U5.8@140.093,223.831 140.123,223.801 141.658,223.801 C40.1@141.688,223.771 C39.1@142.728,223.771 ; C39.1@142.97,223.748 143.725,223.748 C23.1@143.748,223.725
  PWR+SIG (Bottom) w0.5: v1(113.487,231.8) 113.487,233.35 v1(115.24,235.102) ; Q3.1@118.954,227.918 118.954,229.546 119.761,230.353 R14.2@121.691,230.353 ; v1(121.844,233.274) 121.844,230.505 R14.2@121.691,230.353 ; D7.2@132.834,230.505 132.834,232.529 133.295,232.99 ; J1.1@136.665,234.894 136.665,233.755 135.89,232.98 134.46,232.98 v2(134.45,232.99) 133.295,232.99 ; C39.1@142.972,223.75 v2(145.03,223.75) ; R14.2@121.691,230.353 124.529,230.353 124.565,230.389 U2.4@124.565,230.429 124.565,232.083 126.721,234.239 129.817,234.239 131.066,232.99 133.295,232.99
  PWR+SIG (Bottom) w0.6: Q3.1@118.954,227.918 118.954,227.402 119.158,227.198 D6.2@119.158,225.498
VCOM: C29.1 J4.24 | length 4.7
  PWR+SIG (Bottom) w0.254: J4.24@65.019,216.09 65.019,215.404 65.676,214.747 65.676,214.084 66.933,212.827 C29.1@67.589,212.827
VIN: C45.1 C46.1 C47.1 D6.1 Q3.2 R20.2 R28.2 U6.12-13 U8.6 | length 26.6
  PWR+SIG w0.4: U8.6@115.71,223.11 115.72,223.12 116.819,223.12 116.936,223.237 v2(116.99,223.237)
  PWR+SIG w0.6: v2(116.301,213.741) 116.639,213.741 116.99,214.093 v2(116.99,223.237)
  PWR+SIG (Bottom) w0.254: v2(116.301,213.741) 116.301,216.601 117.62,217.92 119.95,217.92 120.967,216.903 121.958,216.903 121.983,216.878 121.983,215.862 R28.2@121.971,215.849
  PWR+SIG (Bottom) w0.4: v2(116.99,223.237) 117.004,223.251 117.004,225.484 D6.1@117.018,225.498
  PWR+SIG (Bottom) w0.6: D6.1@117.018,225.498 117.094,225.498 117.124,225.528 Q3.2@117.124,227.918
  other v2: 116.317,210.683 116.317,212.258
pads on no net: IC1.5 IC1.7 IC1.8 IC1.9 IC1.13 IC1.15 IC1.16 IC1.19 IC1.28 IC1.32 IC1.33 IC1.34 IC1.35 IC2.1 IC9.4 J1.4 J1.6 J1.7 J1.8 J1.9 J1.10 J1.11 J2.1 J2.8 J4.1 J4.6 J4.7 J4.25 J4.26 J6. U1.9 U1.10 U4.3 U4.4 U5.1 U5.2 U5.9 U5.10 U5.11 U5.12 U5.13 U5.14 U5.15 U5.16 U5.17 U5.18 U5.19 U5.20 U5.21 U5.22 U5.23 U5.27 U8.4

## Polygon pours and split planes (outlines as drawn)
GND on PWR+SIG (Bottom) "GND_L04_P069" (solid, remove dead copper, pour order 69): 146.736,227.686 146.507,227.686 146.507,227.152 146.914,227.152 146.914,228.041 147.015,228.143 148.184,228.143 148.184,229.616 148.158,229.591 147.472,229.591 147.371,229.692 147.371,230.581 147.117,230.581 147.066,230.53 147.091,230.505 147.091,229.641 146.736,229.641
GND on PWR+SIG (Bottom) "GND_L04_P064" (solid, remove dead copper, pour order 64): 145.059,218.313 145.059,217.348 139.014,217.348 138.532,216.865 138.532,216.281 140.889,216.281 141.14,216.03 141.146,216.036 143.538,216.036 143.547,216.027 143.547,215.573 144.037,215.573 144.08,215.53 144.08,214.536 144.391,214.536 144.381,214.546 144.381,215.555 152.025,215.697 152.025,217.001 146.194,217.001 145.999,217.195 145.999,217.297 145.483,217.297 145.419,217.361 145.424,217.367 145.424,220.223 145.094,220.489 144.11,220.489 144.11,218.924 144.368,218.666 144.948,218.666 145.077,218.537 145.077,218.166
+5 on PWR+SIG (Bottom) "+5_L04_P062" (solid, remove dead copper, pour order 62): 145.008,215.417 145.008,213.758 145.252,213.514 152.959,213.514 152.959,215.546 148.015,215.546 148.015,215.52 147.736,215.241 147.736,214.377 147.584,214.187 147.368,214.187 145.46,214.187 145.46,215.419 145.003,215.419 145.001,215.416
NetL3_2 on PWR+SIG (Bottom) "NETL3_2_L04_P058" (solid, remove dead copper, pour order 58): 144.526,215.392 144.526,210.134 144.805,209.855 147.828,209.855 147.828,212.979 147.307,213.5 147.599,213.208 144.907,213.208 144.907,215.392
+3V3 on PWR+SIG (Bottom) "+3V3_L04_P053" (solid, remove dead copper, pour order 53): 126.716,212.96 126.792,213.036 126.792,215.932 140.889,215.932 141.143,215.678 142.54,215.678 142.794,215.424 143.937,215.424 143.937,212.122 143.937,211.442 143.905,210.09 143.787,209.972 139.461,209.994 138.095,211.36 138.095,214.027 137.714,214.408 128.316,214.408 127.808,213.9 127.808,213.011 126.919,213.011 126.792,212.884
VIN on PWR+SIG (Bottom) "VIN_L04_P048" (solid, remove dead copper, pour order 48): 124.079,215.062 124.104,215.036 122.682,213.614 122.682,212.471 122.479,212.268 117.856,212.268 117.221,212.903 117.221,214.401 115.722,214.401 115.367,214.046 115.392,214.02 115.392,210.185 116.002,209.575 116.51,209.575 117.627,210.693 121.641,210.693 123.546,212.598 123.927,212.598 124.765,213.436 124.765,215.925 124.079,215.925
GND on PWR+SIG (Bottom) "GND_L04_P045" (solid, remove dead copper, pour order 45): 127.432,216.408 127.406,216.383 125.741,216.383 125.635,216.277 125.643,216.27 125.643,213.099 125.621,213.099 124.447,211.925 124.447,211.437 125.963,211.437 125.956,211.444 125.956,216.153 126,216.197 126.765,216.197 126.904,216.058 126.947,216.102 127.514,216.102 127.533,216.121 127.533,216.408 127.381,216.408
NetL1_2 on PWR+SIG (Bottom) "NETL1_2_L04_P040" (solid, remove dead copper, pour order 40): 126.162,215.925 126.136,215.9 126.136,210.972 125.984,210.82 125.984,207.442 126.975,207.442 127,207.467 126.975,207.493 126.975,211.811 126.467,212.319 126.467,215.925 126.238,215.925 126.213,215.951
NetL1_1 on PWR+SIG (Bottom) "NETL1_1_L04_P039" (solid, remove dead copper, pour order 39): 125.171,215.925 125.146,215.9 125.146,213.487 123.571,211.912 123.571,207.536 123.683,207.424 124.587,207.424 124.587,210.896 124.282,211.201 124.282,212.076 125.465,213.259 125.465,215.963 125.183,215.963 125.146,215.925
GND on PWR+SIG (Bottom) "NONET_L04_P034" (solid, remove dead copper, pour order 34): 126.365,216.865 126.365,218.005 126.74,218.38 126.74,219.704 126.924,219.888 127.94,219.888 128.346,219.481 128.346,217.78 127.686,217.119 126.822,217.119 126.746,217.043 126.746,216.865 126.543,216.865
GND on PWR+SIG (Bottom) "GND_L04_P012" (solid, remove dead copper, pour order 12): 128.118,213.893 128.168,213.843 128.168,211.938 129.286,210.82 136.449,210.82 136.906,211.277 136.906,213.766 136.728,213.944 128.168,213.944
GND on PWR+SIG (Bottom) "GND_L04_P010" (solid, remove dead copper, pour order 10): 117.577,210.236 117.551,210.21 116.688,209.245 116.586,209.144 116.586,205.461 116.586,205.537 117.069,205.537 121.26,205.537 121.844,206.121 121.844,210.033 121.488,210.236 117.627,210.236
+5 on PWR+SIG "+5_L01_P061" (solid, pour order 61): 145.075,215.365 145.075,213.706 145.318,213.462 152.984,213.462 152.984,215.494 148.082,215.494 147.803,215.214 147.803,214.325 147.65,214.135 147.434,214.135 145.526,214.135 145.526,215.367 145.07,215.367 145.067,215.364
GND on PWR+SIG "GND_L01_P067" (solid, remove dead copper, pour order 67): 145.101,217.348 145.067,217.36 139.022,217.36 138.539,216.877 138.539,216.293 140.897,216.293 141.147,216.042 141.153,216.048 143.545,216.048 143.554,216.039 143.554,215.585 144.045,215.585 144.088,215.542 144.088,214.548 144.398,214.548 144.388,214.558 144.388,215.567 152.019,215.602 152.019,216.877 146.348,216.866 146.007,217.207 146.007,217.309 145.491,217.309 145.426,217.373 145.432,217.379 145.432,220.235 145.186,220.501 145.101,220.501 144.117,220.501 144.117,218.936 144.375,218.678 144.956,218.678 145.085,218.549 145.085,218.178
NetL3_2 on PWR+SIG "NETL3_2_L01_P060" (solid, remove dead copper, pour order 60): 144.506,215.452 144.506,210.372 144.887,209.991 147.808,209.991 147.808,213.039 147.665,213.182 144.972,213.182 144.972,215.452
GND on PWR+SIG "GND_L01_P055" (solid, remove dead copper, pour order 55): 128.191,213.915 128.242,213.864 128.242,211.959 129.36,210.841 136.523,210.841 136.98,211.299 136.98,213.788 136.802,213.966 128.242,213.966
+3V3 on PWR+SIG "+3V3_L01_P051" (solid, pour order 51): 126.67,212.928 126.746,213.004 126.746,215.9 140.843,215.9 141.097,215.646 142.494,215.646 142.748,215.392 143.891,215.392 143.891,212.09 143.891,210.058 144.272,211.455 144.272,210.058 139.319,210.058 138.049,211.328 138.049,213.995 137.668,214.376 128.27,214.376 127.762,213.868 127.762,212.979 126.873,212.979 126.746,212.852
GND on PWR+SIG "NONET_L04_P034" (solid, remove dead copper, pour order 36): 126.392,216.872 126.392,218.011 126.767,218.386 126.767,219.711 126.951,219.894 127.967,219.894 128.373,219.488 128.373,217.786 127.713,217.126 126.849,217.126 126.773,217.049 126.773,216.872 126.57,216.872
VIN on PWR+SIG "VIN_L01_P050" (solid, remove dead copper, pour order 50): 124.106,215.031 124.131,215.006 122.709,213.583 122.709,212.44 122.506,212.237 117.883,212.237 117.248,212.872 117.248,214.371 115.749,214.371 115.394,214.015 115.419,213.99 115.419,210.154 116.029,209.545 116.537,209.545 117.654,210.662 121.667,210.662 123.572,212.567 123.953,212.567 124.792,213.406 124.792,215.895 124.106,215.895
GND on PWR+SIG "GND_L01_P043" (solid, remove dead copper, pour order 43): 125.635,216.129 125.635,213.12 124.431,211.915 124.431,211.294 124.451,211.274 125.965,211.274 125.965,216.239 125.628,216.239 125.635,216.231
GND on PWR+SIG "GND_L01_P009" (solid, remove dead copper, pour order 9): 116.535,209.194 116.535,205.562 121.336,205.562 121.818,206.045 121.793,210.058 121.793,210.109 121.666,210.236 121.463,210.236 117.577,210.236
GND on GND (Plane2) (split plane): 181.303,239.085 181.551,239.058 181.796,239.014 182.038,238.953 182.274,238.874 182.504,238.778 182.727,238.667 182.942,238.54 183.146,238.398 183.34,238.241 183.523,238.071 183.693,237.889 183.849,237.695 183.991,237.49 184.118,237.276 184.23,237.053 184.325,236.822 184.404,236.586 184.466,236.344 184.51,236.099 184.537,235.851 184.545,235.618 184.543,235.602 184.543,208.602 184.545,208.586 184.537,208.353 184.51,208.105 184.466,207.86 184.404,207.619 184.325,207.382 184.23,207.152 184.118,206.929 183.991,206.715 183.849,206.51 183.693,206.316 183.523,206.133 183.34,205.963 183.146,205.807 182.942,205.665 182.727,205.538 182.504,205.426 182.274,205.331 182.038,205.252 181.796,205.19 181.551,205.146 181.303,205.119 181.07,205.111 181.054,205.113 64.054,205.113 64.038,205.111 63.805,205.119 63.557,205.146 63.312,205.19 63.07,205.252 62.834,205.331 62.603,205.426 62.38,205.538 62.166,205.665 61.961,205.807 61.767,205.963 61.585,206.133 61.415,206.316 61.259,206.51 61.116,206.715 60.989,206.929 60.878,207.152 60.782,207.382 60.704,207.619 60.642,207.86 60.598,208.105 60.571,208.353 60.563,208.586 60.564,208.602 60.564,215.092 61.054,215.092 61.153,215.102 61.249,215.131 61.337,215.178 61.415,215.241 61.478,215.319 61.525,215.407 61.554,215.503 61.564,215.602 61.564,228.602 61.554,228.702 61.525,228.798 61.478,228.886 61.415,228.963 61.337,229.027 61.249,229.074 61.153,229.103 61.054,229.113 60.564,229.113 60.564,235.602 60.563,235.618 60.571,235.851 60.598,236.099 60.642,236.344 60.704,236.586 60.782,236.822 60.878,237.053 60.989,237.276 61.116,237.49 61.259,237.695 61.415,237.889 61.585,238.071 61.767,238.241 61.961,238.398 62.166,238.54 62.38,238.667 62.603,238.778 62.834,238.874 63.07,238.953 63.312,239.014 63.557,239.058 63.805,239.085 64.038,239.093 64.054,239.092 181.054,239.092 181.07,239.093
no net on GND (split plane): 181.303,239.085 181.551,239.058 181.796,239.014 182.038,238.953 182.274,238.874 182.504,238.778 182.727,238.667 182.942,238.54 183.146,238.398 183.34,238.241 183.523,238.071 183.693,237.889 183.849,237.695 183.991,237.49 184.118,237.276 184.23,237.053 184.325,236.822 184.404,236.586 184.466,236.344 184.51,236.099 184.537,235.851 184.545,235.618 184.543,235.602 184.543,208.602 184.545,208.586 184.537,208.353 184.51,208.105 184.466,207.86 184.404,207.619 184.325,207.382 184.23,207.152 184.118,206.929 183.991,206.715 183.849,206.51 183.693,206.316 183.523,206.133 183.34,205.963 183.146,205.807 182.942,205.665 182.727,205.538 182.504,205.426 182.274,205.331 182.038,205.252 181.796,205.19 181.551,205.146 181.303,205.119 181.07,205.111 181.054,205.113 64.054,205.113 64.038,205.111 63.805,205.119 63.557,205.146 63.312,205.19 63.07,205.252 62.834,205.331 62.603,205.426 62.38,205.538 62.166,205.665 61.961,205.807 61.767,205.963 61.585,206.133 61.415,206.316 61.259,206.51 61.116,206.715 60.989,206.929 60.878,207.152 60.782,207.382 60.704,207.619 60.642,207.86 60.598,208.105 60.571,208.353 60.563,208.586 60.564,208.602 60.564,215.092 61.054,215.092 61.153,215.102 61.249,215.131 61.337,215.178 61.415,215.241 61.478,215.319 61.525,215.407 61.554,215.503 61.564,215.602 61.564,228.602 61.554,228.702 61.525,228.798 61.478,228.886 61.415,228.963 61.337,229.027 61.249,229.074 61.153,229.103 61.054,229.113 60.564,229.113 60.564,235.602 60.563,235.618 60.571,235.851 60.598,236.099 60.642,236.344 60.704,236.586 60.782,236.822 60.878,237.053 60.989,237.276 61.116,237.49 61.259,237.695 61.415,237.889 61.585,238.071 61.767,238.241 61.961,238.398 62.166,238.54 62.38,238.667 62.603,238.778 62.834,238.874 63.07,238.953 63.312,239.014 63.557,239.058 63.805,239.085 64.038,239.093 64.054,239.092 181.054,239.092 181.07,239.093

## Silkscreen, mask and mechanical layers (free items; w line width, h text height)
Top Overlay:
  text "GND" at 128.229,238.015 h1 r270
  text "+5V" at 102.494,237.294 h1 r90
  text "GND" at 114.824,236.285 h1 r180
  text "VBAT" at 120.544,235.934 h1 r90
  text "3.3V" at 175.842,209.723 h1
  text "GND" at 172.473,209.698 h1
Mechanical 1:
  circle w0.013: c110.554,232.102 r2
  circle w0.013: c145.931,215.452 r2
  circle w0.013: c110.554,222.102 r5
  circle w0.013: c124.804,209.602 r1.2
  circle w0.013: c124.804,234.602 r1.2
  circle w0.013: c63.554,236.102 r1
  circle w0.013: c63.554,208.102 r1
  circle w0.013: c181.554,208.102 r1
  circle w0.013: c181.554,236.102 r1
  lines w0.013: 60.054,208.602 ccw(c64.054,208.602) 64.054,204.602 119.804,204.602 120.304,204.602 181.054,204.602 ccw(c181.054,208.602) 185.054,208.602 185.054,235.602 ccw(c181.054,235.602) 181.054,239.602 120.304,239.602 119.804,239.602 64.054,239.602 ccw(c64.054,235.602) 60.054,235.602 60.054,228.602 61.054,228.602 61.054,215.602 60.054,215.602 60.054,208.602 ; 121.304,207.102 121.304,237.102 151.304,237.102 151.304,207.102 121.304,207.102

## Text inside footprints (layer, text, board x,y; h text height)
J1: Mechanical 1 "PCB EDGE" at 131.519,241.303 h0.54 r180